# Altium PCB Drive Board.PcbDoc (part 1 of 2)
Units mil, origin at the board's own origin, x right, y up, seen from the top; angles counter-clockwise.
Board outline 16141.73 x 6299.21 mil, 2 copper layers (Top Layer, Bottom Layer), stack 61.2 mil thick; 231 components, 215 nets, 894 pads, 287 vias.
Unrouted connection lines stored in the file: 57.
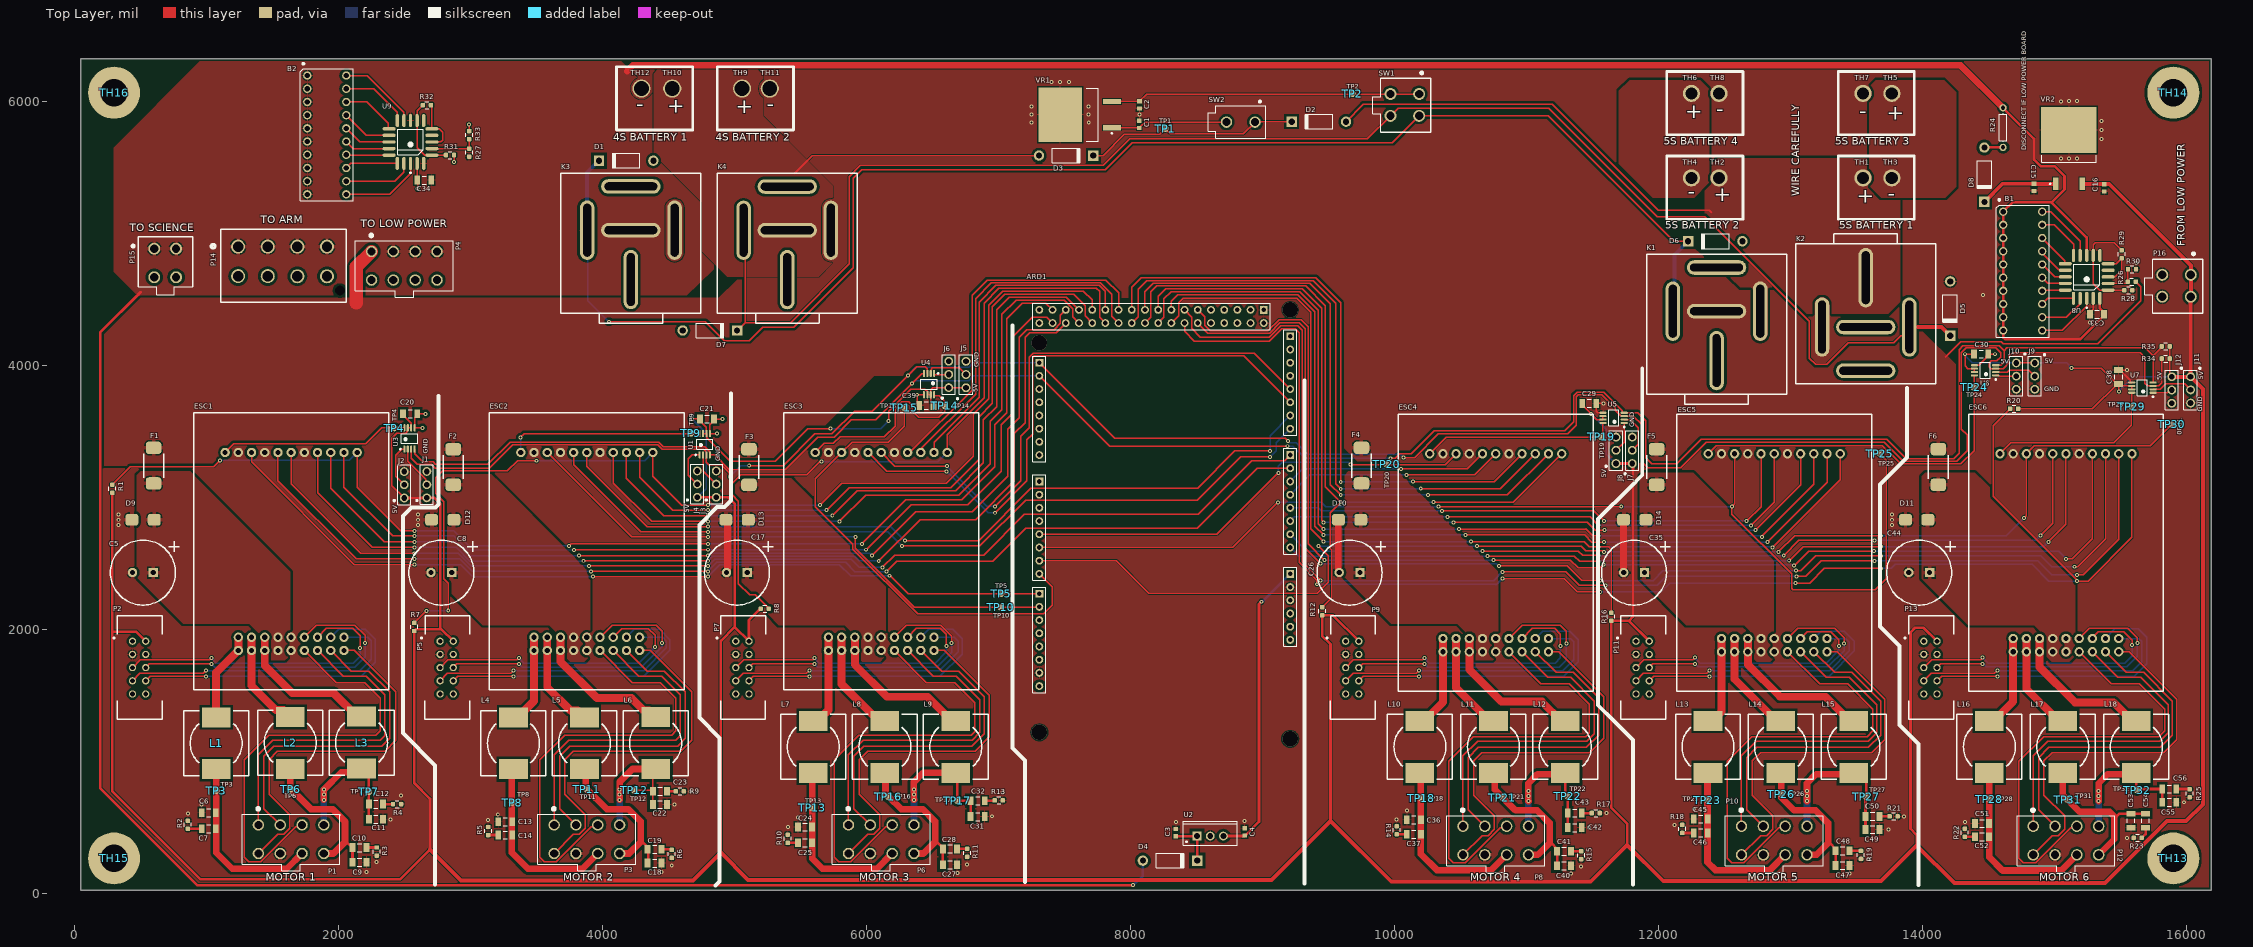
[diagram p0: Top Layer view]
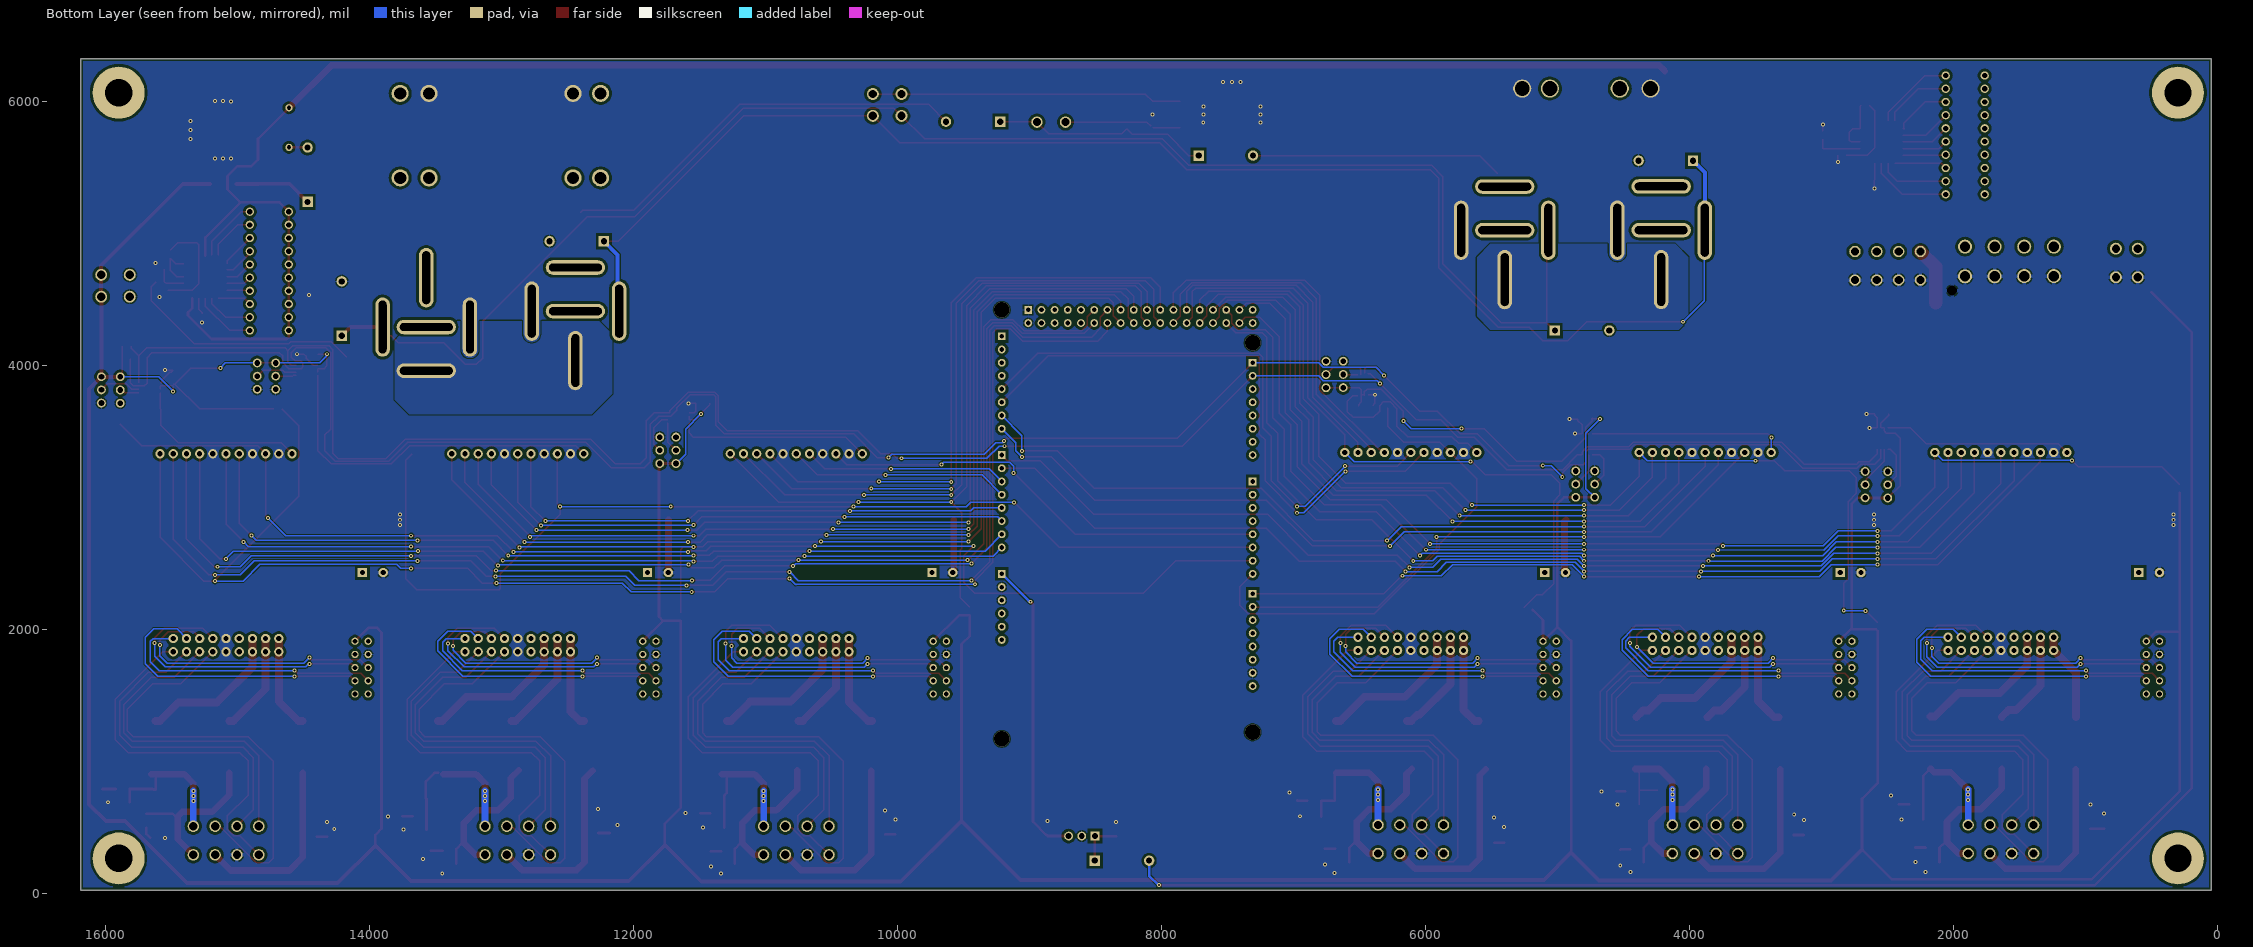
[diagram p1: Bottom Layer view, seen from below]

## Layer stack, top to bottom
Top Solder: solder mask 0.4, Solder Resist, Dk 3.5
Top Layer: signal copper 1.4
Dielectric 1: dielectric 58.4, FR-4, Dk 4.8
Bottom Layer: signal copper 1.4
Bottom Solder: solder mask 0.4, Solder Resist, Dk 3.5

## Board outline
46.84,24.31 46.84,6323.52 16188.57,6323.52 16188.57,24.31

## Design rules (kind name [scope] priority, off if disabled: settings)
BoardOutlineClearance [All] p1: gap=20 ignorepadtopadclearanceinfootprint=FALSE except(0: Arc-SplitContinuation Track-SplitContinuation SMDPad-SplitContinuation THPad-SplitContinuation Via-SplitContinuation Fill-SplitContinuation Poly-SplitContinuation Region-SplitContinuation Text-SplitContinuation)
Clearance 38V_Clearance [InNet('37VP')or InNet('37VP_RAW') or InNet('E1 W1')or InNet('E1 W2')or InNet('E1 W3')or InNet('E2 W1')or InNet('E2 W2')or InNet('E2 W3')or InNet('E3 W1')or InNet('E3 W2')or InNet('E3 W3')or InNet('E4 W1')or InNet('E4 W2')or InNet('E4 W3')or InNet('E5 W1')or InNet('E5 W2')or InNet('E5 W3')or InNet('E6 W1')or InNet('E6 W2')or InNet('E6 W3')or InNet('NetESC1_1')or InNet('NetESC1_3')or InNet('NetESC1_5')or InNet('NetESC2_1')or InNet('NetESC2_3')or InNet('NetESC2_5')or InNet('NetESC3_1')or InNet('NetESC3_3')or InNet('NetESC3_5')or InNet('NetESC4_1')or InNet('NetESC4_3')or InNet('NetESC4_5')or InNet('NetESC5_1')or InNet('NetESC5_3')or InNet('NetESC5_5')or InNet('NetESC6_1')or InNet('NetESC6_3')or InNet('NetESC6_5')or InNet('NetC5_1')or InNet('NetC8_1')or InNet('NetC17_1')or InNet('NetC26_1')or InNet('NetC35_1')or InNet('NetC44_1')or InNet('NetTH3_1')or InNet('NetTH4_1')] p1: gap=20 ignorepadtopadclearanceinfootprint=TRUE except(0: Arc-Hole Track-Hole SMDPad-Hole THPad-Hole Via-Hole Fill-Hole Poly-Hole Region-Hole Text-Hole)
Clearance [All] p2: gap=8 ignorepadtopadclearanceinfootprint=TRUE except(0: Arc-Hole Track-Hole SMDPad-Hole THPad-Hole Via-Hole Fill-Hole Poly-Hole Region-Hole Text-Hole; 20: THPad-Poly)
ComponentClearance [All] p1: gap=5 collisioncheckmode=3 verticalgap=10 showdistances=FALSE
HoleSize [All] p1: absolutevalues=TRUE maxlimit=1000 minlimit=1 maxpercent=80.000 minpercent=20.000
MinimumSolderMaskSliver [All] p1: minsoldermaskwidth=1
PolygonConnect ESC_Connect [InComponent('ESC1')or InComponent('ESC2')or InComponent('ESC3')or InComponent('ESC4')or InComponent('ESC5')or InComponent('ESC6')] p1: thpad.connectstyle=Direct thpad.reliefconductorwidth=40 thpad.reliefentries=4 thpad.polygonreliefangle="90 Angle" thpad.airgapwidth=10 smdpad.connectstyle=Relief smdpad.reliefconductorwidth=30 smdpad.reliefentries=4 smdpad.polygonreliefangle="90 Angle" smdpad.airgapwidth=10 via.connectstyle=Direct via.reliefconductorwidth=10 via.reliefentries=4 via.polygonreliefangle="90 Angle" via.airgapwidth=10
PolygonConnect "Direct Connect" [InComponent('TH1') or InComponent('TH2')or InComponent('TH3')or InComponent('TH4')or InComponent('TH5')or InComponent('TH6')or InComponent('TH7')or InComponent('TH8')or InComponent('TH9')or InComponent('TH10') or InComponent('TH11')or InComponent('TH12')or InComponent('TH13')or InComponent('TH14')or InComponent('TH15')or InComponent('K1')or InComponent('K2')or InComponent('K3')or InComponent('K4')] p2: connectstyle=Direct reliefconductorwidth=10 reliefentries=4 polygonreliefangle="90 Angle" airgapwidth=10
PolygonConnect Thick_Connect [InComponent('P15') or InComponent('P14')  or InComponent('P4')  or InComponent('P1')or InComponent('P3') or InComponent('P6')or InComponent('P8')or InComponent('P10')or InComponent('P12')or InComponent('F1')or InComponent('F2')or InComponent('F3')or InComponent('F4')or InComponent('F5')or InComponent('F6')or InComponent('D9')or InComponent('D10')or InComponent('D11')or InComponent('D12')or InComponent('D13')or InComponent('D14')or InComponent('C26')or InComponent('C35')or InComponent('C44')or InComponent('C5')or InComponent('C8')or InComponent('C17')] p3: thpad.connectstyle=Relief thpad.reliefconductorwidth=30 thpad.reliefentries=4 thpad.polygonreliefangle="90 Angle" thpad.airgapwidth=10 smdpad.connectstyle=Relief smdpad.reliefconductorwidth=30 smdpad.reliefentries=4 smdpad.polygonreliefangle="90 Angle" smdpad.airgapwidth=10 via.connectstyle=Direct via.reliefconductorwidth=10 via.reliefentries=4 via.polygonreliefangle="90 Angle" via.airgapwidth=10
PolygonConnect [All] p4: thpad.connectstyle=Relief thpad.reliefconductorwidth=10 thpad.reliefentries=4 thpad.polygonreliefangle="90 Angle" thpad.airgapwidth=10 smdpad.connectstyle=Relief smdpad.reliefconductorwidth=10 smdpad.reliefentries=4 smdpad.polygonreliefangle="90 Angle" smdpad.airgapwidth=10 via.connectstyle=Direct via.reliefconductorwidth=10 via.reliefentries=4 via.polygonreliefangle="90 Angle" via.airgapwidth=10
RoutingVias [All] p1: holewidth=15 width=30 viastyle="Through Hole" minholewidth=10 minwidth=20 maxholewidth=20 maxwidth=40
SilkToSilkClearance [All] p1: silktosilkclearance=0
SilkToSolderMaskClearance [IsPad] p1: minsilkscreentomaskgap=5 clearancetoexposedcopper=TRUE
SolderMaskExpansion [All] p1: expansion=4
Width [All] p1: maxlimit=100 minlimit=8 preferedwidth=10 minimp=50.000000 maximp=50.000000 favimp=50.000000
25 further rules are at their usual default settings.

## Classes and differential pairs
component class "SCH-9-Battery Voltage Indicators": B1 B2 C33 C34 R26 R27 R28 R29 R30 R31 R32 R33 U8 U9
component class "SCH-11-Out Going Connectors": P4 P14 P15 P16
component class "SCH-10-Power Connectors": TH1 TH2 TH3 TH4 TH5 TH6 TH7 TH8 TH9 TH10 TH11 TH12 TH13 TH14 TH15 TH16
component class SCH-8-ESC6: C38 C44 C51 C52 C53 C54 C55 C56 D11 ESC6 F6 J11 J12 L16 L17 L18 P12 P13 R20 R22 R23 R25 TP28 TP29 TP30 TP31 TP32 U7
component class SCH-7-ESC5: C30 C35 C45 C46 C47 C48 C49 C50 D14 ESC5 F5 J9 J10 L13 L14 L15 P10 P11 R16 R18 R19 R21 TP23 TP24 TP25 TP26 TP27 U6
component class SCH-6-ESC4: C26 C29 C36 C37 C40 C41 C42 C43 D10 ESC4 F4 J7 J8 L10 L11 L12 P8 P9 R12 R14 R15 R17 TP18 TP19 TP20 TP21 TP22 U5
component class SCH-5-ESC3: C17 C24 C25 C27 C28 C31 C32 C39 D13 ESC3 F3 J5 J6 L7 L8 L9 P6 P7 R8 R10 R11 R13 TP13 TP14 TP15 TP16 TP17 U4
component class SCH-4-ESC2: C8 C13 C14 C18 C19 C21 C22 C23 D12 ESC2 F2 J3 J4 L4 L5 L6 P3 P5 R5 R6 R7 R9 TP8 TP9 TP10 TP11 TP12 U1
component class "SCH-2-Main Controls": ARD1 C3 C4 D4 R34 R35 U2
component class "SCH-1-ESD Power Rails": C1 C2 C15 C16 D1 D2 D3 D5 D6 D7 D8 K1 K2 K3 K4 R24 SS1 SW1 SW2 TP1 TP2 VR1 VR2
component class SCH-3-ESC1: C5 C6 C7 C9 C10 C11 C12 C20 D9 ESC1 F1 J1 J2 L1 L2 L3 P1 P2 R1 R2 R3 R4 SCH-3-ESC1 TP3 TP4 TP5 TP6 TP7 U3

## Components (designator, comment, footprint, x,y, rotation, side; value= is the part's Value field where it differs from the comment)
ARD1 "Arduino Mega" "Arduino Mega" 8210,2720 r90 top locked
B1 "LTA-1000HR" "LED BAR 10pos" 14759,4714 r90 top
B2 "XGCBDX10D" "LED BAR 10pos" 1912,5745 r90 top
C1 "Cap" 1608[0603] 8066,5825 r90 top value=100nF
C2 "Cap" 1608[0603] 8068,5973 r270 top value=22uF
C3 "Cap" 1608[0603] 8344,460 r90 top value=330nF
C4 "Cap" 1608[0603] 8865,465 r90 top value=100nF
C5 "Panasonic EEU-FC1J221S" "Panasonic EEU-FC1J221S" 518.74,2430 r0 top value=220uF
C6 "Cap Semi" C1206 1018,611 r0 top value=100pF
C7 "Cap Semi" C1206 1018,489 r0 top value=100pF
C8 "Panasonic EEU-FC1J221S" "Panasonic EEU-FC1J221S" 2780,2430 r0 top value=220uF
C9 "Cap Semi" C1206 2160,236 r180 top value=100pF
C10 "Cap Semi" C1206 2160,346 r180 top value=100pF
C11 "Cap Semi" C1206 2284,561 r180 top value=100pF
C12 "Cap Semi" C1206 2284,676 r180 top value=100pF
C13 "Cap Semi" C1206 3264,542 r0 top value=100pF
C14 "Cap Semi" C1206 3264,442 r0 top value=100pF
C15 "Cap" 1608[0603] 14845,5348 r270 top value=330nF
C16 "Cap" 1608[0603] 15377,5344 r270 top value=100nF
C17 "Panasonic EEU-FC1J221S" "Panasonic EEU-FC1J221S" 5018.74,2430 r0 top value=220uF
C18 "Cap Semi" C1206 4395,229 r180 top value=100pF
C19 "Cap Semi" C1206 4395,334 r180 top value=100pF
C20 "Cap Semi" C1206 2543,3633 r180 top value=100pF
C21 "Cap Semi" C1206 4792,3593 r180 top value=100pF
C22 "Cap Semi" C1206 4436,673 r180 top value=100pF
C23 "Cap Semi" C1206 4436,773 r180 top value=100pF
C24 "Cap Semi" C1206 5534,503 r0 top value=100pF
C25 "Cap Semi" C1206 5534,383 r0 top value=100pF
C26 "Panasonic EEU-FC1J221S" "Panasonic EEU-FC1J221S" 9660,2430 r0 top value=220uF
C27 "Cap Semi" C1206 6633,217 r180 top value=100pF
C28 "Cap Semi" C1206 6633,337 r180 top value=100pF
C29 "Cap Semi" C1206 11475,3712 r180 top value=100pF
C30 "Cap Semi" C1206 14444,4085 r180 top value=100pF
C31 "Cap Semi" C1206 6842,581.01 r180 top value=100pF
C32 "Cap Semi" C1206 6842,701.01 r180 top value=100pF
C33 "Cap Semi" C1206 15322,4387 r0 top value=100pF
C34 "Cap Semi" C1206 2650,5403 r0 top value=100pF
C35 "Panasonic EEU-FC1J221S" "Panasonic EEU-FC1J221S" 11815,2430 r0 top value=220uF
C36 "Cap Semi" C1206 10147,558 r0 top value=100pF
C37 "Cap Semi" C1206 10147,448 r0 top value=100pF
C38 "Cap Semi" C1206 15486,3911 r270 top value=100pF
C39 "Cap Semi" C1206 6454,3695 r0 top value=100pF
C40 "Cap Semi" C1206 11284,209 r180 top value=100pF
C41 "Cap Semi" C1206 11284,319 r180 top value=100pF
C42 "Cap Semi" C1206 11365,498 r180 top value=100pF
C43 "Cap Semi" C1206 11365,608 r180 top value=100pF
C44 "Panasonic EEU-FC1J221S" "Panasonic EEU-FC1J221S" 13975,2430 r0 top value=220uF
C45 "Cap Semi" C1206 12320,563 r0 top value=100pF
C46 "Cap Semi" C1206 12320,458 r0 top value=100pF
C47 "Cap Semi" C1206 13394,211 r180 top value=100pF
C48 "Cap Semi" C1206 13394,322.84 r180 top value=100pF
C49 "Cap Semi" C1206 13621,483 r180 top value=100pF
C50 "Cap Semi" C1206 13621,583 r180 top value=100pF
C51 "Cap Semi" C1206 14451,529 r0 top value=100pF
C52 "Cap Semi" C1206 14451,429 r0 top value=100pF
C53 "Cap Semi" C1206 15580,550 r90 top value=100pF
C54 "Cap Semi" C1206 15690,550 r90 top value=100pF
C55 "Cap Semi" C1206 15870,690 r180 top value=100pF
C56 "Cap Semi" C1206 15870,790 r180 top value=100pF
D1 "Diode 1N4001" DO-41 4180,5550 r180 top
D2 "Diode 1N4001" DO-41 9427,5846 r180 top
D3 "Diode 1N4001" DO-41 7513,5589 r0 top
D4 "Diode 1N4001" DO-41 8300,248 r0 top
D5 "Diode 1N4001" DO-41 14210,4430 r270 top
D6 "Diode 1N4001" DO-41 12430,4940 r180 top
D7 "Diode 1N4001" DO-41 4814,4264 r0 top
D8 "Diode 1N4001" DO-41 14469,5444 r270 top
D9 "TVS_DIODE" SMBJ54A-13-F 520,2830 r180 top
D10 "TVS_DIODE" SMBJ54A-13-F 9660,2830 r180 top
D11 "TVS_DIODE" SMBJ54A-13-F 13956,2830 r180 top
D12 "TVS_DIODE" SMBJ54A-13-F 2790,2830 r180 top
D13 "TVS_DIODE" SMBJ54A-13-F 5020,2830 r180 top
D14 "TVS_DIODE" SMBJ54A-13-F 11820,2830 r180 top
ESC1 "ESCON 50/8 HE" "ESCON 50/8 HE" 1641.84,2590 r90 top locked
ESC2 "ESCON 50/8 HE" "ESCON 50/8 HE" 3881.84,2590 r90 top locked
ESC3 "ESCON 50/8 HE" "ESCON 50/8 HE" 6111.84,2590 r90 top locked
ESC4 "ESCON 50/8 HE" "ESCON 50/8 HE" 10766.84,2580 r90 top locked
ESC5 "ESCON 50/8 HE" "ESCON 50/8 HE" 12876.84,2580 r90 top locked
ESC6 "ESCON 50/8 HE" "ESCON 50/8 HE" 15086.84,2580 r90 top locked
F1 "Fuse 2" 0157010.DR 600,3240 r90 top
F2 "Fuse 2" 0157010.DR 2870,3230 r90 top
F3 "Fuse 2" 0157010.DR 5110,3230 r90 top
F4 "Fuse 2" 0157010.DR 9750,3240 r90 top
F5 "Fuse 2" 0157010.DR 11986,3230 r90 top
F6 "Fuse 2" 0157010.DR 14120,3230 r90 top
J1 "Jumper Pad" "3 PAD TH" 2670,2996 r90 top
J2 "Jumper Pad" "3 PAD TH" 2498,2995 r90 top
J3 "Jumper Pad" "3 PAD TH" 4862,3000 r90 top
J4 "Jumper Pad" "3 PAD TH" 4719,3000 r90 top
J5 "Jumper Pad" "3 PAD TH" 6754,3830 r90 top
J6 "Jumper Pad" "3 PAD TH" 6624,3831 r90 top
J7 "Jumper Pad" "3 PAD TH" 11801,3256 r90 top
J8 "Jumper Pad" "3 PAD TH" 11678,3256 r90 top
J9 "Jumper Pad" "3 PAD TH" 14851,4018 r270 top
J10 "Jumper Pad" "3 PAD TH" 14711,4018 r270 top
J11 "Jumper Pad" "3 PAD TH" 16031,3914 r270 top
J12 "Jumper Pad" "3 PAD TH" 15888,3913 r270 top
K1 "Relay" "RELAY RC-700112-NN" 12440,4310 r0 top
K2 "Relay" "RELAY RC-700112-NN" 13570,4390 r180 top
K3 "Relay" "RELAY RC-700112-NN" 4215.5,4924 r0 top
K4 "Relay" "RELAY RC-700112-NN" 5400,4923.31 r0 top locked
L1 "DR127-4R7-R" DR127-4R7-R 1074,1137 r270 top value=4.7uH
L2 "DR127-4R7-R" DR127-4R7-R 1635,1140 r270 top locked value=4.7uH
L3 "DR127-4R7-R" DR127-4R7-R 2175,1142 r270 top value=4.7uH
L4 "DR127-4R7-R" DR127-4R7-R 3326,1137 r270 top value=4.7uH
L5 "DR127-4R7-R" DR127-4R7-R 3864,1137 r270 top value=4.7uH
L6 "DR127-4R7-R" DR127-4R7-R 4403,1138 r270 top value=4.7uH
L7 "DR127-4R7-R" DR127-4R7-R 5597,1110 r270 top value=4.7uH
L8 "DR127-4R7-R" DR127-4R7-R 6140,1110 r270 top value=4.7uH
L9 "DR127-4R7-R" DR127-4R7-R 6677,1110 r270 top value=4.7uH
L10 "DR127-4R7-R" DR127-4R7-R 10193,1110 r270 top value=4.7uH
L11 "DR127-4R7-R" DR127-4R7-R 10750,1110 r270 top value=4.7uH
L12 "DR127-4R7-R" DR127-4R7-R 11294,1110 r270 top value=4.7uH
L13 "DR127-4R7-R" DR127-4R7-R 12375,1110 r270 top value=4.7uH
L14 "DR127-4R7-R" DR127-4R7-R 12925,1110 r270 top value=4.7uH
L15 "DR127-4R7-R" DR127-4R7-R 13480,1110 r270 top value=4.7uH
L16 "DR127-4R7-R" DR127-4R7-R 14507,1110 r270 top value=4.7uH
L17 "DR127-4R7-R" DR127-4R7-R 15062.53,1110 r270 top value=4.7uH
L18 "DR127-4R7-R" DR127-4R7-R 15620,1110 r270 top value=4.7uH
P1 "Mini-Fit Jr 8 Pos" "Molex Mini-Fit Jr 0039281083" 1641.84,410 r0 top
P2 "Header_10_Pos_Ribbon Male" 3M_2510-6002UB 490,1710 r270 top
P3 "Mini-Fit Jr 8 Pos" "Molex Mini-Fit Jr 0039281083" 3881.84,410 r0 top
P4 "Mini-Fit Jr 8 Pos" "Molex Mini-Fit Jr 0039281083" 2499,4754 r0 top
P5 "Header_10_Pos_Ribbon Male" 3M_2510-6002UB 2820,1710 r270 top
P6 "Mini-Fit Jr 8 Pos" "Molex Mini-Fit Jr 0039281083" 6111.84,410 r0 top
P7 "Header_10_Pos_Ribbon Male" 3M_2510-6002UB 5060,1710 r270 top
P8 "Mini-Fit Jr 8 Pos" "Molex Mini-Fit Jr 0039281083" 10766.84,400 r0 top
P9 "Header_10_Pos_Ribbon Male" 3M_2510-6002UB 9680,1710 r270 top
P10 "Mini-Fit Jr 8 Pos" "Molex Mini-Fit Jr 0039281083" 12876.84,400 r0 top
P11 "Header_10_Pos_Ribbon Male" 3M_2510-6002UB 11880,1710 r270 top
P12 "Mini-Fit Jr 8 Pos" "Molex Mini-Fit Jr 0039281083" 15086.84,400 r0 top
P13 "Header_10_Pos_Ribbon Male" 3M_2510-6002UB 14060,1710 r270 top
P14 "Mini-Fit Jr 8 Pos RA" "MOLEX 172065-0208" 1625.61,4732.23 r180 top
P15 "Mini-Fit Jr 4 Pos" "MOLEX 0039281043" 604.65,4883.54 r0 top
P16 "Mini-Fit Jr 4 Pos" "MOLEX 0039281043" 16032.54,4685 r270 top
R1 "Res1" RESC1608X06N_0603 287,3065 r270 top value=1K
R2 "Res1" RESC1608X06N_0603 859,519 r270 top value=1K
R3 "Res1" RESC1608X06N_0603 2290,316.51 r90 top value=1K
R4 "Res1" RESC1608X06N_0603 2444,676 r180 top value=1K
R5 "Res1" RESC1608X06N_0603 3134,472 r270 top value=1K
R6 "Res1" RESC1608X06N_0603 4525,299 r90 top value=1K
R7 "Res1" RESC1608X06N_0603 2575,2018 r270 top value=1K
R8 "Res1" RESC1608X06N_0603 5229.46,2155.65 r180 top value=1K
R9 "Res1" RESC1608X06N_0603 4586,773 r180 top value=1K
R10 "Res1" RESC1608X06N_0603 5404,413 r270 top value=1K
R11 "Res1" RESC1608X06N_0603 6763,307 r90 top value=1K
R12 "Res1" RESC1608X06N_0603 9452.15,2136.96 r270 top value=1K
R13 "Res1" RESC1608X06N_0603 7002,704 r180 top value=1K
R14 "Res1" RESC1608X06N_0603 10017,478 r270 top value=1K
R15 "Res1" RESC1608X06N_0603 11414,289 r90 top value=1K
R16 "Res1" RESC1608X06N_0603 11643,2095 r270 top value=1K
R17 "Res1" RESC1608X06N_0603 11525,608 r180 top value=1K
R18 "Res1" RESC1608X06N_0603 12180,488 r270 top value=1K
R19 "Res1" RESC1608X06N_0603 13534,291 r90 top value=1K
R20 "Res1" RESC1608X06N_0603 14694,3671 r0 top value=1K
R21 "Res1" RESC1608X06N_0603 13781,583 r180 top value=1K
R22 "Res1" RESC1608X06N_0603 14321,459 r270 top value=1K
R23 "Res1" RESC1608X06N_0603 15630,420 r0 top value=1K
R24 "Res1" AXIAL-0.3 14610,5801 r270 top value=0
R25 "Res1" RESC1608X06N_0603 16024,757.49 r90 top value=1K
R26 "Res1" RESC1608X06N_0603 15585.51,4634 r0 top value=1K
R27 "Res1" RESC1608X06N_0603 2990,5611 r270 top value=1K
R28 "Res1" RESC1608X06N_0603 15559,4569 r180 top value=1K
R29 "Res1" RESC1608X06N_0603 15509,4841 r270 top value=1K
R30 "Res1" RESC1608X06N_0603 15587,4728 r180 top value=1K
R31 "Res1" RESC1608X06N_0603 2845,5593 r180 top value=1K
R32 "Res1" RESC1608X06N_0603 2670,5971 r0 top value=1K
R33 "Res1" RESC1608X06N_0603 2990,5744 r270 top value=1K
R34 "Res1" RESC1608X06N_0603 15843,4051 r0 top value=10k
R35 "Res1" RESC1608X06N_0603 15843,4143 r0 top value=10k
SW1 "NO-NC ESD with light" "MOLEX 0039281043" 10186.54,6055.35 r270 top
SW2 "Key_Switch" MOLEX_0039293026 8835.76,5842.6 r180 top
TH1 "12AWG_TH" 12AWG_WIRE_TH#1 13549.51,5420 r90 top locked
TH2 "12AWG_TH" 12AWG_WIRE_TH#1 12458.72,5420 r270 top locked
TH3 "12AWG_TH" 12AWG_WIRE_TH#1 13767.72,5420 r90 top locked
TH4 "12AWG_TH" 12AWG_WIRE_TH#1 12249.37,5420 r270 top locked
TH5 "12AWG_TH" 12AWG_WIRE_TH#2 13767.72,6073.79 r270 top locked
TH6 "12AWG_TH" 12AWG_WIRE_TH#1 12249.37,6059.96 r90 top locked
TH7 "12AWG_TH" 12AWG_WIRE_TH#1 13549.51,6060.04 r270 top locked
TH8 "12AWG_TH" 12AWG_WIRE_TH#1 12458.72,6059.96 r90 top locked
TH9 "10AWG_TH" 10AWG_Wire_TH 5058.23,6096.46 r180 top
TH10 "10AWG_TH" 10AWG_Wire_TH 4528.69,6096.46 r180 top
TH11 "10AWG_TH" 10AWG_Wire_TH 5267.72,6096.46 r180 top
TH12 "10AWG_TH" 10AWG_Wire_TH 4295.28,6096.46 r180 top
TH13 "M5-Screw-Hole" M5_Screw_Hole#1 15919.29,285.43 r0 top
TH14 "M5-Screw-Hole" M5_Screw_Hole#2 15900,6064.96 r0 top
TH15 "M5-Screw-Hole" M5_Screw_Hole#3 296.26,263.78 r0 top
TH16 "M5-Screw-Hole" M5_Screw_Hole#4 279.53,6067.91 r0 top
TP1 "TestPt" 50_MIL_PAD 8263.77,5793 r0 top
TP2 "TestPt" 50_MIL_PAD 9682,6057 r0 top
TP3 "TestPt" 50_MIL_PAD 1074,777 r0 top
TP4 "TestPt" 50_MIL_PAD 2424,3525 r0 top
TP5 "TestPt" 50_MIL_PAD 7020,2270 r0 top
TP6 "TestPt" 50_MIL_PAD 1640,790 r0 top
TP7 "TestPt" 50_MIL_PAD 2231,769 r0 top
TP8 "TestPt" 50_MIL_PAD 3315,688 r0 top
TP9 "TestPt" 50_MIL_PAD 4669,3484 r0 top
TP10 "TestPt" 50_MIL_PAD 7017,2168 r90 top
TP11 "TestPt" 50_MIL_PAD 3880,790 r0 top
TP12 "TestPt" 50_MIL_PAD 4241,780 r90 top
TP13 "TestPt" 50_MIL_PAD 5588,647 r0 top
TP14 "TestPt" 50_MIL_PAD 6592,3694 r90 top
TP15 "TestPt" 50_MIL_PAD 6287,3679 r90 top
TP16 "TestPt" 50_MIL_PAD 6166,731 r0 top
TP17 "TestPt" 50_MIL_PAD 6688,702 r180 top
TP18 "TestPt" 50_MIL_PAD 10201,721 r90 top
TP19 "TestPt" 50_MIL_PAD 11567,3458 r90 top
TP20 "TestPt" 50_MIL_PAD 9940,3250 r90 top
TP21 "TestPt" 50_MIL_PAD 10818,726 r90 top
TP22 "TestPt" 50_MIL_PAD 11312,734 r0 top
TP23 "TestPt" 50_MIL_PAD 12371,705 r0 top
TP24 "TestPt" 50_MIL_PAD 14391,3832 r90 top
TP25 "TestPt" 50_MIL_PAD 13677,3331 r90 top
TP26 "TestPt" 50_MIL_PAD 12930,750 r270 top
TP27 "TestPt" 50_MIL_PAD 13574,731 r0 top
TP28 "TestPt" 50_MIL_PAD 14506,711 r0 top
TP29 "TestPt" 50_MIL_PAD 15585,3687 r90 top
TP30 "TestPt" 50_MIL_PAD 15889,3552 r270 top
TP31 "TestPt" 50_MIL_PAD 15099,709 r90 top
TP32 "TestPt" 50_MIL_PAD 15625,782 r270 top
U1 "DAC121C085" MUA08A_L 4775,3402 r90 top
U2 "L7812CV" TO220 8604,434 r0 top
U3 "DAC121C085" MUA08A_L 2538,3446 r90 top
U4 "DAC121C085" MUA08A_L 6474,3858 r270 top
U5 "DAC121C085" MUA08A_L 11660,3602 r180 top
U6 "DAC121C085" MUA08A_L 14474,3962 r180 top
U7 "DAC121C085" MUA08A_L 15666,3831 r180 top
U8 "LM3914VX/NOPB" PLCC127P990X990X457-20N 15244,4670 r180 top
U9 "LM3914VX/NOPB" PLCC127P990X990X457-20N 2546,5692 r180 top
VR1 "Volt Reg" DPAK254P1420X457-3N 7619,5899 r180 top
VR2 "Volt Reg" D2PAK_N 15109,5643 r90 top
